# Altium PCB 4S SMART BMS İsmet Akalın.PcbDoc (part 1 of 2) (continued)
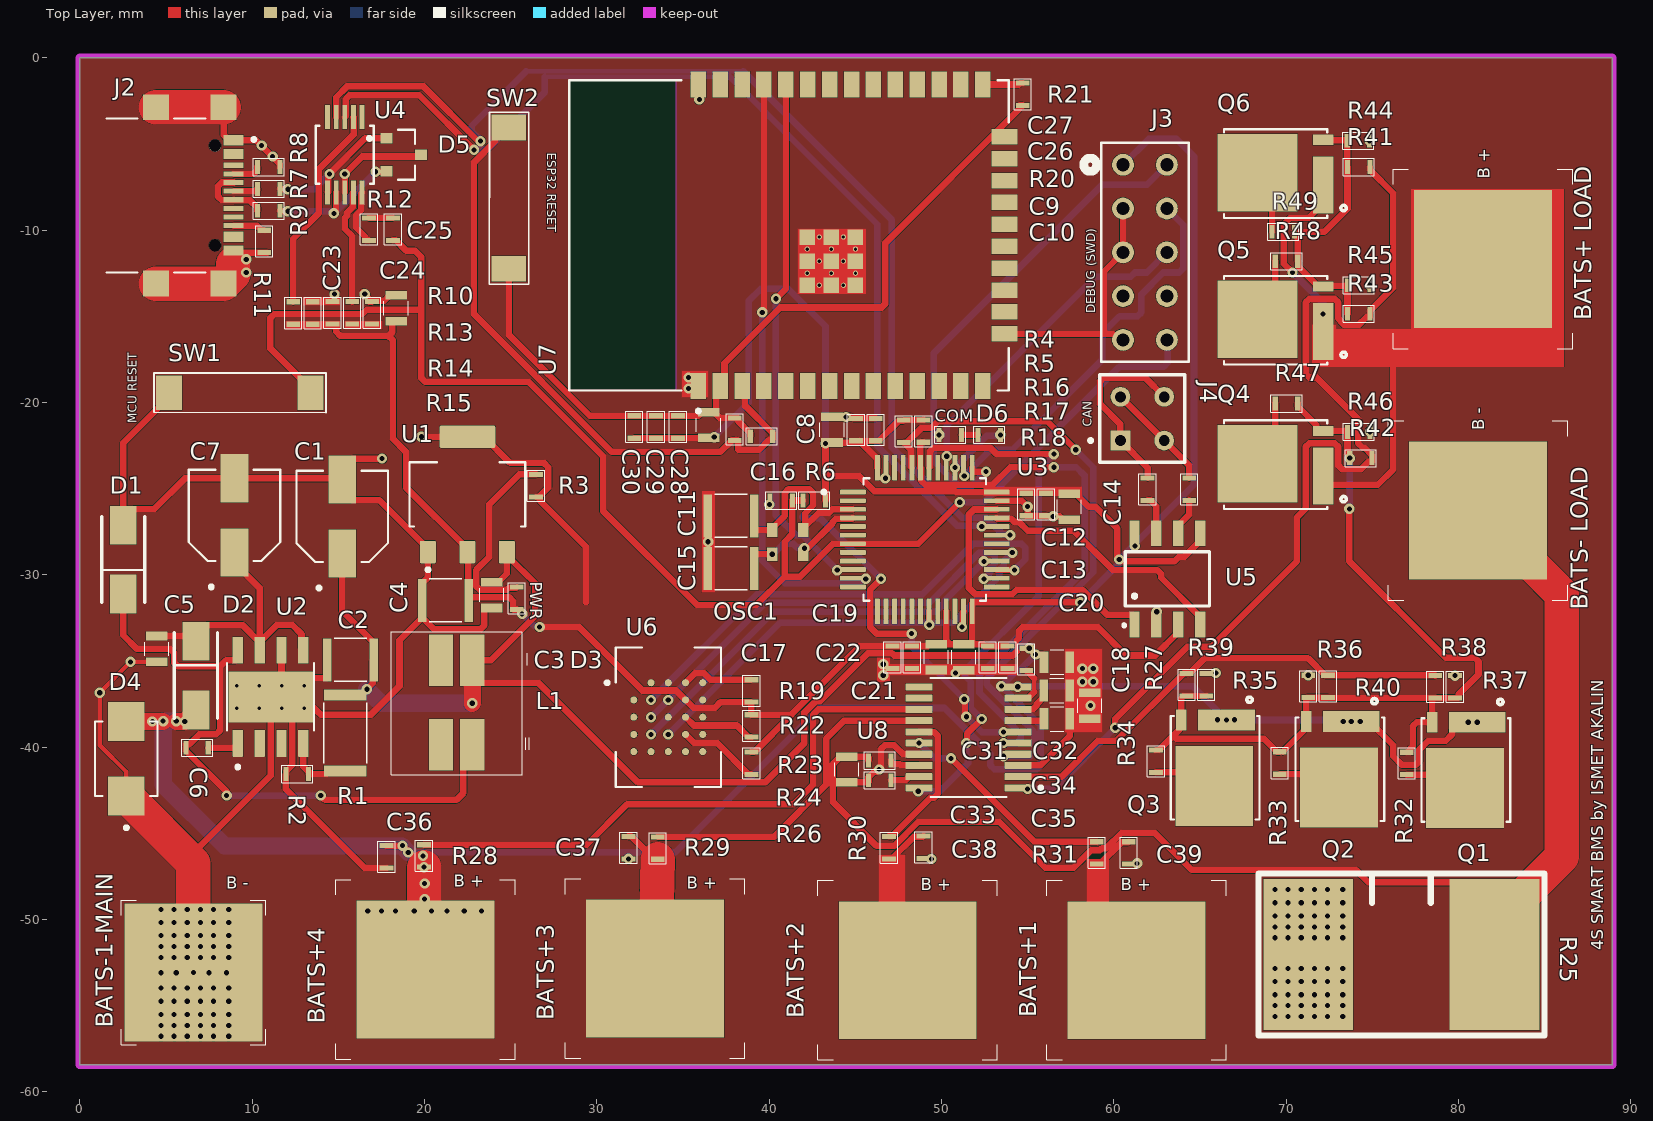
[diagram p0: Top Layer view]
## Part data (continued)
R3 R16: library part "RES 330 OHM 1/10W 0603", "330 Ohms ±1% 0.1W, 1/10W Chip Resistor 0603 (1608 Metric) Thick Film", Case Code (Metric)=1608, Case Code (Imperial)=0603, Manufacturer="TE Connectivity", Manufacturer Lifecycle Status=ACTIVE, Manufacturer Part Number=1622918-1, Max Operating Temperature=125°C, Min Operating Temperature=-55°C, Number of Resistors=1, Operating Supply Voltage=50V, Power Dissipation=100mW, Supplier Part Number=3399578, Temperature Coefficient=100ppm/°C, Tolerance=1%, Case/Package=0603, Category="Chip SMD Resistors", China RoHS=Non-Compliant, ComponentLink1Description=https://datasheet.octopart.com:443/1622918-1-TE-Connectivity-datasheet-177732131.pdf?src-supplier=JRH+Electronics, ComponentLink1URL=https://datasheet.octopart.com:443/1622918-1-TE-Connectivity-datasheet-177732131.pdf?src-supplier=JRH+Electronics, ComponentLink2Description=https://datasheet.octopart.com:443/1622918-1-TE-Connectivity-datasheet-11120284.pdf?src-supplier=Farnell, ComponentLink2URL=https://datasheet.octopart.com:443/1622918-1-TE-Connectivity-datasheet-11120284.pdf?src-supplier=Farnell, ComponentLink3Description=https://datasheet.octopart.com:443/CRG0603F330R-TE-Connectivity-datasheet-182172479.pdf?src-supplier=IHS, ComponentLink3URL=https://datasheet.octopart.com:443/CRG0603F330R-TE-Connectivity-datasheet-182172479.pdf?src-supplier=IHS, ComponentLink4Description=https://datasheet.octopart.com:443/1622918-1-TE-Connectivity---AMP-datasheet-11120141.pdf?src-supplier=Master+Electronics, ComponentLink4URL=https://datasheet.octopart.com:443/1622918-1-TE-Connectivity---AMP-datasheet-11120141.pdf?src-supplier=Master+Electronics, ComponentLink5Description=https://datasheet.octopart.com:443/1622918-1-TE-Connectivity---AMP-datasheet-128558484.pdf?src-supplier=Master+Electronics, ComponentLink5URL=https://datasheet.octopart.com:443/1622918-1-TE-Connectivity---AMP-datasheet-128558484.pdf?src-supplier=Master+Electronics, ComponentLink6Description=https://datasheet.octopart.com:443/1622918-1-TE-Connectivity---AMP-datasheet-189108518.pdf?src-supplier=Master+Electronics, ComponentLink6URL=https://datasheet.octopart.com:443/1622918-1-TE-Connectivity---AMP-datasheet-189108518.pdf?src-supplier=Master+Electronics, ComponentLink7Description=https://datasheet.octopart.com:443/1622918-1-TE-Connectivity---AMP-datasheet-44624597.pdf?src-supplier=TE+Connectivity, ComponentLink7URL=https://datasheet.octopart.com:443/1622918-1-TE-Connectivity---AMP-datasheet-44624597.pdf?src-supplier=TE+Connectivity, ComponentLink8Description=https://datasheet.octopart.com:443/1622918-1-TE-Connectivity-datasheet-14513272.pdf?src-supplier=TE+Connectivity, ComponentLink8URL=https://datasheet.octopart.com:443/1622918-1-TE-Connectivity-datasheet-14513272.pdf?src-supplier=TE+Connectivity, ComponentLink9Description=https://datasheet.octopart.com:443/1622918-1-TE-Connectivity-datasheet-177731251.pdf?src-supplier=Burklin+Elektronik, ComponentLink9URL=https://datasheet.octopart.com:443/1622918-1-TE-Connectivity-datasheet-177731251.pdf?src-supplier=Burklin+Elektronik, ComponentLink10Description=https://datasheet.octopart.com:443/CRG0603F330R-TE-Connectivity-datasheet-111046813.pdf?src-supplier=RS+(Formerly+Allied+Electronics), ComponentLink10URL=https://datasheet.octopart.com:443/CRG0603F330R-TE-Connectivity-datasheet-111046813.pdf?src-supplier=RS+(Formerly+Allied+Electronics), ComponentLink11Description=https://datasheet.octopart.com:443/CRG0603F330R-TE-Connectivity-datasheet-20739855.pdf?src-supplier=RS+(Formerly+Allied+Electronics), ComponentLink11URL=https://datasheet.octopart.com:443/CRG0603F330R-TE-Connectivity-datasheet-20739855.pdf?src-supplier=RS+(Formerly+Allied+Electronics), ComponentLink12Description=https://datasheet.octopart.com:443/CRG0603F330R-Tyco-Electronics-datasheet-9643492.pdf?src-supplier=RS+(Formerly+Allied+Electronics), ComponentLink12URL=https://datasheet.octopart.com:443/CRG0603F330R-Tyco-Electronics-datasheet-9643492.pdf?src-supplier=RS+(Formerly+Allied+Electronics), ComponentLink13Description=http://sigma.octopart.com:80/14513267/rohs_certificate/Tyco-Electronics-CRG0603F330R.pdf?src-supplier=Compliance+Statements, ComponentLink13URL=http://sigma.octopart.com:80/14513267/rohs_certificate/Tyco-Electronics-CRG0603F330R.pdf?src-supplier=Compliance+Statements, ComponentLink14Description=http://sigma.octopart.com:80/38872715/materials_sheet/TE-Connectivity-CRG0603F330R.pdf?src-supplier=Compliance+Statements, ComponentLink14URL=http://sigma.octopart.com:80/38872715/materials_sheet/TE-Connectivity-CRG0603F330R.pdf?src-supplier=Compliance+Statements, ComponentLink15Description=http://sigma.octopart.com:80/78339115/materials_sheet/TE-Connectivity-CRG0603F330R.pdf?src-supplier=Compliance+Statements, ComponentLink15URL=http://sigma.octopart.com:80/78339115/materials_sheet/TE-Connectivity-CRG0603F330R.pdf?src-supplier=Compliance+Statements, Composition="Thick Film", Depth=800µm, ELV=Compliant, Height=450µm, Length=1.6mm, Lifecycle Status=Production, Mounting Technology="Surface Mount", Number of Terminals=2, Number of Terminations=2, Packaging="Tape & Reel (TR)", Power Rating=100mW, Pricing="10=0,0125, 250=0,0066, 1000=0,0044, 5000=0,0038, 10000=0,0028, 20000=0,0027 (EUR)", Radiation Hardening=No, REACH SVHC=Yes, RoHS=Compliant, Schedule B="8533210045, 8533210090, 8533210090|8533210090, 8533210090|8533210090|8533210090", Stock=16155, Supplier=Farnell, Termination=Solder, Voltage Rating=50V, Width=800µm, Working Voltage=50V
R4 R5: library part "RES 4.7K OHM 1/10W 0603", "Res Thin Film 0603 4.7K Ohm 0.1% 0.1W ±25ppm/°C Molded SMD Punched Carrier T/R", Case Code (Imperial)=0603, Manufacturer=Panasonic, Manufacturer Part Number=ERA-3AEB473V, Max Operating Temperature=155°C, Max Power Dissipation=100mW, Min Operating Temperature=-55°C, Temperature Coefficient=25ppm/°C, Tolerance=0.1%, Voltage Rating=75V, Case/Package=0603, Category="Chip SMD Resistors", ComponentLink1Description=https://datasheet.octopart.com:443/ERA-3AEB473V-Panasonic-datasheet-62287448.pdf?src-supplier=Newark, ComponentLink1URL=https://datasheet.octopart.com:443/ERA-3AEB473V-Panasonic-datasheet-62287448.pdf?src-supplier=Newark, ComponentLink2Description=https://datasheet.octopart.com:443/ERA-3AEB473V-Panasonic-datasheet-136531316.pdf?src-supplier=Newark, ComponentLink2URL=https://datasheet.octopart.com:443/ERA-3AEB473V-Panasonic-datasheet-136531316.pdf?src-supplier=Newark, ComponentLink3Description=https://datasheet.octopart.com:443/ERA-3AEB473V-Panasonic-datasheet-8367715.pdf?src-supplier=Newark, ComponentLink3URL=https://datasheet.octopart.com:443/ERA-3AEB473V-Panasonic-datasheet-8367715.pdf?src-supplier=Newark, ComponentLink4Description=https://datasheet.octopart.com:443/ERA-3AEB473V-Panasonic-datasheet-61114971.pdf?src-supplier=Newark, ComponentLink4URL=https://datasheet.octopart.com:443/ERA-3AEB473V-Panasonic-datasheet-61114971.pdf?src-supplier=Newark, ComponentLink5Description=https://datasheet.octopart.com:443/ERA-3AEB473V-Panasonic-datasheet-13266200.pdf?src-supplier=_legacy+Avnet, ComponentLink5URL=https://datasheet.octopart.com:443/ERA-3AEB473V-Panasonic-datasheet-13266200.pdf?src-supplier=_legacy+Avnet, ComponentLink6Description=https://datasheet.octopart.com:443/ERA-3AEB473V-Panasonic-datasheet-118567.pdf?src-supplier=element14, ComponentLink6URL=https://datasheet.octopart.com:443/ERA-3AEB473V-Panasonic-datasheet-118567.pdf?src-supplier=element14, ComponentLink7Description=https://datasheet.octopart.com:443/ERA-3AEB473V-Panasonic-datasheet-154766165.pdf?src-supplier=Master+Electronics, ComponentLink7URL=https://datasheet.octopart.com:443/ERA-3AEB473V-Panasonic-datasheet-154766165.pdf?src-supplier=Master+Electronics, ComponentLink8Description=https://datasheet.octopart.com:443/ERA-3AEB473V-Panasonic-datasheet-12510007.pdf?src-supplier=Future+Electronics, ComponentLink8URL=https://datasheet.octopart.com:443/ERA-3AEB473V-Panasonic-datasheet-12510007.pdf?src-supplier=Future+Electronics, ComponentLink9Description=https://datasheet.octopart.com:443/ERA-3AEB473V-Panasonic-datasheet-11763931.pdf?src-supplier=Future+Electronics, ComponentLink9URL=https://datasheet.octopart.com:443/ERA-3AEB473V-Panasonic-datasheet-11763931.pdf?src-supplier=Future+Electronics, ComponentLink10Description=https://datasheet.octopart.com:443/ERA-3AEB473V-Panasonic-datasheet-10840895.pdf?src-supplier=Future+Electronics, ComponentLink10URL=https://datasheet.octopart.com:443/ERA-3AEB473V-Panasonic-datasheet-10840895.pdf?src-supplier=Future+Electronics, ComponentLink11Description=https://datasheet.octopart.com:443/ERA-3AEB473V-Panasonic-datasheet-5392808.pdf?src-supplier=Future+Electronics, ComponentLink11URL=https://datasheet.octopart.com:443/ERA-3AEB473V-Panasonic-datasheet-5392808.pdf?src-supplier=Future+Electronics, ComponentLink12Description=https://datasheet.octopart.com:443/ERA-3AEB473V-Panasonic-datasheet-46744048.pdf?src-supplier=RS+(Formerly+Allied+Electronics), ComponentLink12URL=https://datasheet.octopart.com:443/ERA-3AEB473V-Panasonic-datasheet-46744048.pdf?src-supplier=RS+(Formerly+Allied+Electronics), ComponentLink13Description=https://datasheet.octopart.com:443/ERA3AEB473V-Panasonic-datasheet-188913046.pdf?src-supplier=TME, ComponentLink13URL=https://datasheet.octopart.com:443/ERA3AEB473V-Panasonic-datasheet-188913046.pdf?src-supplier=TME, ComponentLink14Description=https://sigma.octopart.com:443/150570796/technical_drawing/Panasonic-ERA3AEB473V.pdf?src-supplier=Panasonic+SCT, ComponentLink14URL=https://sigma.octopart.com:443/150570796/technical_drawing/Panasonic-ERA3AEB473V.pdf?src-supplier=Panasonic+SCT, ComponentLink15Description=https://datasheet.octopart.com:443/ERA3AEB473V-Panasonic-datasheet-138783076.pdf?src-supplier=Burklin+Elektronik, ComponentLink15URL=https://datasheet.octopart.com:443/ERA3AEB473V-Panasonic-datasheet-138783076.pdf?src-supplier=Burklin+Elektronik, ComponentLink16Description=https://datasheet.octopart.com/ERA-3AEB473V-Panasonic-datasheet-78375410.pdf, ComponentLink16URL=https://datasheet.octopart.com/ERA-3AEB473V-Panasonic-datasheet-78375410.pdf, ComponentLink17Description=https://datasheet.octopart.com:443/ERA3AEB473V-Panasonic---ECG-datasheet-15994758.pdf?src-supplier=Farnell, ComponentLink17URL=https://datasheet.octopart.com:443/ERA3AEB473V-Panasonic---ECG-datasheet-15994758.pdf?src-supplier=Farnell, ComponentLink18Description=https://datasheet.octopart.com:443/ERA3AEB473V-Panasonic-datasheet-10050158.pdf?src-supplier=Arrow+Electronics, ComponentLink18URL=https://datasheet.octopart.com:443/ERA3AEB473V-Panasonic-datasheet-10050158.pdf?src-supplier=Arrow+Electronics, ComponentLink19Description=https://datasheet.octopart.com:443/ERA-3AEB473V-Panasonic-datasheet-33006989.pdf?src-supplier=Electro+Sonic, ComponentLink19URL=https://datasheet.octopart.com:443/ERA-3AEB473V-Panasonic-datasheet-33006989.pdf?src-supplier=Electro+Sonic, ComponentLink20Description=https://datasheet.octopart.com:443/ERA-3AEB472V-Panasonic-datasheet-138783076.pdf?src-supplier=Burklin+Elektronik, ComponentLink20URL=https://datasheet.octopart.com:443/ERA-3AEB472V-Panasonic-datasheet-138783076.pdf?src-supplier=Burklin+Elektronik, ComponentLink21Description=https://sigma.octopart.com:443/138766958/technical_drawing/Panasonic-ERA-3AEB472V.pdf?src-supplier=Upverter, ComponentLink21URL=https://sigma.octopart.com:443/138766958/technical_drawing/Panasonic-ERA-3AEB472V.pdf?src-supplier=Upverter, ComponentLink22Description=https://datasheet.octopart.com:443/ERA-3AEB472V-Panasonic-datasheet-62287448.pdf?src-supplier=Newark, ComponentLink22URL=https://datasheet.octopart.com:443/ERA-3AEB472V-Panasonic-datasheet-62287448.pdf?src-supplier=Newark, ComponentLink23Description=https://datasheet.octopart.com:443/ERA-3AEB472V-Panasonic-datasheet-8367715.pdf?src-supplier=Newark, ComponentLink23URL=https://datasheet.octopart.com:443/ERA-3AEB472V-Panasonic-datasheet-8367715.pdf?src-supplier=Newark, ComponentLink24Description=https://datasheet.octopart.com:443/ERA-3AEB472V-Panasonic-datasheet-136531316.pdf?src-supplier=Farnell, ComponentLink24URL=https://datasheet.octopart.com:443/ERA-3AEB472V-Panasonic-datasheet-136531316.pdf?src-supplier=Farnell, ComponentLink25Description=https://datasheet.octopart.com:443/ERA3AEB472V-Panasonic---ECG-datasheet-15994758.pdf?src-supplier=Farnell, ComponentLink25URL=https://datasheet.octopart.com:443/ERA3AEB472V-Panasonic---ECG-datasheet-15994758.pdf?src-supplier=Farnell, ComponentLink26Description=https://datasheet.octopart.com:443/ERA-3AEB472V-Panasonic-datasheet-13266200.pdf?src-supplier=_legacy+Avnet, ComponentLink26URL=https://datasheet.octopart.com:443/ERA-3AEB472V-Panasonic-datasheet-13266200.pdf?src-supplier=_legacy+Avnet, ComponentLink27Description=https://datasheet.octopart.com:443/ERA-3AEB472V-Panasonic-datasheet-10840895.pdf?src-supplier=Future+Electronics, ComponentLink27URL=https://datasheet.octopart.com:443/ERA-3AEB472V-Panasonic-datasheet-10840895.pdf?src-supplier=Future+Electronics, ComponentLink28Description=https://datasheet.octopart.com:443/ERA-3AEB472V-Panasonic-datasheet-12510007.pdf?src-supplier=Future+Electronics, ComponentLink28URL=https://datasheet.octopart.com:443/ERA-3AEB472V-Panasonic-datasheet-12510007.pdf?src-supplier=Future+Electronics, ComponentLink29Description=https://datasheet.octopart.com:443/ERA-3AEB472V-Panasonic-datasheet-11763931.pdf?src-supplier=Future+Electronics, ComponentLink29URL=https://datasheet.octopart.com:443/ERA-3AEB472V-Panasonic-datasheet-11763931.pdf?src-supplier=Future+Electronics, ComponentLink30Description=https://datasheet.octopart.com:443/ERA-3AEB472V-Panasonic-datasheet-5392808.pdf?src-supplier=Future+Electronics, ComponentLink30URL=https://datasheet.octopart.com:443/ERA-3AEB472V-Panasonic-datasheet-5392808.pdf?src-supplier=Future+Electronics, ComponentLink31Description=https://datasheet.octopart.com:443/ERA-3AEB472V-Panasonic-datasheet-61114971.pdf?src-supplier=Future+Electronics, ComponentLink31URL=https://datasheet.octopart.com:443/ERA-3AEB472V-Panasonic-datasheet-61114971.pdf?src-supplier=Future+Electronics, ComponentLink32Description=https://datasheet.octopart.com:443/ERA-3AEB472V-Panasonic-datasheet-118567.pdf?src-supplier=element14, ComponentLink32URL=https://datasheet.octopart.com:443/ERA-3AEB472V-Panasonic-datasheet-118567.pdf?src-supplier=element14, ComponentLink33Description=https://datasheet.octopart.com:443/ERA-3AEB472V-Panasonic-datasheet-154766165.pdf?src-supplier=Master+Electronics, ComponentLink33URL=https://datasheet.octopart.com:443/ERA-3AEB472V-Panasonic-datasheet-154766165.pdf?src-supplier=Master+Electronics, ComponentLink34Description=https://datasheet.octopart.com:443/ERA-3AEB472V-Panasonic-datasheet-46744048.pdf?src-supplier=RS+(Formerly+Allied+Electronics), ComponentLink34URL=https://datasheet.octopart.com:443/ERA-3AEB472V-Panasonic-datasheet-46744048.pdf?src-supplier=RS+(Formerly+Allied+Electronics), ComponentLink35Description=https://datasheet.octopart.com:443/ERA3AEB472V-Panasonic-datasheet-188913046.pdf?src-supplier=TME, ComponentLink35URL=https://datasheet.octopart.com:443/ERA3AEB472V-Panasonic-datasheet-188913046.pdf?src-supplier=TME, ComponentLink36Description=https://sigma.octopart.com:443/150570796/technical_drawing/Panasonic-ERA3AEB472V.pdf?src-supplier=Panasonic+SCT, ComponentLink36URL=https://sigma.octopart.com:443/150570796/technical_drawing/Panasonic-ERA3AEB472V.pdf?src-supplier=Panasonic+SCT, ComponentLink37Description=https://datasheet.octopart.com/ERA-3AEB472V-Panasonic-datasheet-78375410.pdf, ComponentLink37URL=https://datasheet.octopart.com/ERA-3AEB472V-Panasonic-datasheet-78375410.pdf, ComponentLink38Description=https://datasheet.octopart.com:443/ERA-3AEB472V-Panasonic-datasheet-33006989.pdf?src-supplier=Electro+Sonic, ComponentLink38URL=https://datasheet.octopart.com:443/ERA-3AEB472V-Panasonic-datasheet-33006989.pdf?src-supplier=Electro+Sonic, Composition="Thin Film", Contact Plating=Tin, Depth=800µm, Features="Automotive AEC-Q200", Height=450µm, Lead Free="Lead Free", Length=1.6mm, Lifecycle Status=Production, Military Standard=Not, Mounting Technology="Surface Mount", Number of Terminals=2, Number of Terminations=2, Packaging="Cut Tape", Pins=2, Power Dissipation=100mW, Power Rating=100mW, Pricing="5000=0,0337, 10000=0,032, 15000=0,031, 20000=0,031, 25000=0,03 (USD)", Radiation Hardening=No, REACH SVHC=Yes, RoHS=Compliant, Schedule B="8533210045, 8533210045|8533210045|8533210045|8533210045|8533210045", Stock=25000, Supplier="Arrow Electronics", Supplier Part Number=ERA-3AEB473V, Termination=SMD/SMT, Voltage Rating (DC)=75V, Width=800µm, Working Voltage=75V
R7 R9: library part "RES 22 OHM 1/10W 0603", "22 Ohms ±1% 0.1W, 1/10W Chip Resistor 0603 (1608 Metric) Automotive AEC-Q200 Thick Film", Case Code (Metric)=1608, Case Code (Imperial)=0603, Manufacturer="Stackpole Electronics", Max Operating Temperature=155°C, Max Power Dissipation=100mW, Min Operating Temperature=-55°C, Temperature Coefficient=100ppm/°C, Tolerance=1%, Voltage Rating=75V, Case/Package=0603, Category="Chip SMD Resistors", China RoHS=Non-Compliant, ComponentLink1Description=https://datasheet.octopart.com:443/RMCF0603FT22R0-Stackpole-Electronics-datasheet-182148065.pdf?src-supplier=IHS, ComponentLink1URL=https://datasheet.octopart.com:443/RMCF0603FT22R0-Stackpole-Electronics-datasheet-182148065.pdf?src-supplier=IHS, ComponentLink2Description=https://datasheet.octopart.com:443/RMCF0603FT22R0-Stackpole-Electronics-datasheet-28504820.pdf?src-supplier=Upverter, ComponentLink2URL=https://datasheet.octopart.com:443/RMCF0603FT22R0-Stackpole-Electronics-datasheet-28504820.pdf?src-supplier=Upverter, ComponentLink3Description=https://datasheet.octopart.com:443/RMCF0603FT22R0-Stackpole-Electronics-datasheet-141193804.pdf?src-supplier=Master+Electronics, ComponentLink3URL=https://datasheet.octopart.com:443/RMCF0603FT22R0-Stackpole-Electronics-datasheet-141193804.pdf?src-supplier=Master+Electronics, ComponentLink4Description=https://datasheet.octopart.com:443/RMCF0603FT22R0-Stackpole-Electronics-datasheet-189104163.pdf?src-supplier=Master+Electronics, ComponentLink4URL=https://datasheet.octopart.com:443/RMCF0603FT22R0-Stackpole-Electronics-datasheet-189104163.pdf?src-supplier=Master+Electronics, ComponentLink5Description=https://datasheet.octopart.com:443/RMCF0603FT22R0-Stackpole-Electronics-datasheet-116606903.pdf?src-supplier=Master+Electronics, ComponentLink5URL=https://datasheet.octopart.com:443/RMCF0603FT22R0-Stackpole-Electronics-datasheet-116606903.pdf?src-supplier=Master+Electronics, ComponentLink6Description=https://datasheet.octopart.com:443/RMCF0603FT22R0-Stackpole-Electronics-datasheet-62091608.pdf?src-supplier=Stackpole+Electronics, ComponentLink6URL=https://datasheet.octopart.com:443/RMCF0603FT22R0-Stackpole-Electronics-datasheet-62091608.pdf?src-supplier=Stackpole+Electronics, ComponentLink7Description=https://datasheet.octopart.com:443/RMCF0603FT22R0-Stackpole-Electronics-datasheet-12534581.pdf?src-supplier=Stackpole+Electronics, ComponentLink7URL=https://datasheet.octopart.com:443/RMCF0603FT22R0-Stackpole-Electronics-datasheet-12534581.pdf?src-supplier=Stackpole+Electronics, ComponentLink8Description=https://datasheet.octopart.com:443/RMCF0603FT22R0-Stackpole-Electronics-datasheet-10788263.pdf?src-supplier=Stackpole+Electronics, ComponentLink8URL=https://datasheet.octopart.com:443/RMCF0603FT22R0-Stackpole-Electronics-datasheet-10788263.pdf?src-supplier=Stackpole+Electronics, ComponentLink9Description=http://sigma.octopart.com:80/15940719/materials_sheet/Stackpole-Electronics-RMCF0603FT22R0.pdf?src-supplier=Compliance+Statements, ComponentLink9URL=http://sigma.octopart.com:80/15940719/materials_sheet/Stackpole-Electronics-RMCF0603FT22R0.pdf?src-supplier=Compliance+Statements, ComponentLink10Description=http://sigma.octopart.com:80/141158212/rohs_statement/Stackpole-Electronics-RMCF0603FT22R0.pdf?src-supplier=Compliance+Statements, ComponentLink10URL=http://sigma.octopart.com:80/141158212/rohs_statement/Stackpole-Electronics-RMCF0603FT22R0.pdf?src-supplier=Compliance+Statements, ComponentLink11Description=http://sigma.octopart.com:80/141158211/reach_statement/Stackpole-Electronics-RMCF0603FT22R0.pdf?src-supplier=Compliance+Statements, ComponentLink11URL=http://sigma.octopart.com:80/141158211/reach_statement/Stackpole-Electronics-RMCF0603FT22R0.pdf?src-supplier=Compliance+Statements, Composition="Thick Film", Contact Plating=Tin, Features="Automotive AEC-Q200", Height=450µm, Length=1.5494mm, Lifecycle Status=Production, Manufacturer Part Number=RMCF0603FT22R0, Mounting Technology="Surface Mount", Number of Terminals=2, Number of Terminations=2, Packaging=Digi-Reel®, Power Dissipation=100mW, Power Rating=100mW, Pricing="5000=0,002 (USD)", Radiation Hardening=No, REACH SVHC=Yes, RoHS=Compliant, Schedule B="8533210045, 8533210045|8533210045, 8533210045|8533210045|8533210045, 8533210045|8533210045|8533210045|8533210045", Stock=5000, Supplier="Arrow Electronics", Supplier Part Number=RMCF0603FT22R0, Width=800µm, Working Voltage=75V
R8 R11: library part "RES 5.1K OHM 1/10W 0603", "RES 5.1K OHM 1% 1/10W 0603", Case Code (Imperial)=0603, Manufacturer="Yageo Group", Max Operating Temperature=155°C, Max Power Dissipation=100mW, Min Operating Temperature=-55°C, Supplier Part Number=3495881, Temperature Coefficient=100ppm/°C, Tolerance=1%, Voltage Rating=75V, Voltage Rating (DC)=50V, Case/Package=0603, Category="Chip SMD Resistors", China RoHS=Non-Compliant, ComponentLink1Description=https://datasheet.octopart.com:443/RC0603FR-075K1L-Yageo-datasheet-175887523.pdf?src-supplier=IHS, ComponentLink1URL=https://datasheet.octopart.com:443/RC0603FR-075K1L-Yageo-datasheet-175887523.pdf?src-supplier=IHS, ComponentLink2Description=https://datasheet.octopart.com:443/RC0603FR-075K1L-Yageo-datasheet-103092701.pdf?src-supplier=Upverter, ComponentLink2URL=https://datasheet.octopart.com:443/RC0603FR-075K1L-Yageo-datasheet-103092701.pdf?src-supplier=Upverter, ComponentLink3Description=https://datasheet.octopart.com:443/RC0603FR-075K1L-Yageo-datasheet-8328172.pdf?src-supplier=Farnell, ComponentLink3URL=https://datasheet.octopart.com:443/RC0603FR-075K1L-Yageo-datasheet-8328172.pdf?src-supplier=Farnell, ComponentLink4Description=https://datasheet.octopart.com:443/RC0603FR-075K1L-Yageo-datasheet-62067350.pdf?src-supplier=Farnell, ComponentLink4URL=https://datasheet.octopart.com:443/RC0603FR-075K1L-Yageo-datasheet-62067350.pdf?src-supplier=Farnell, ComponentLink5Description=https://datasheet.octopart.com:443/RC0603FR-075K1L-Yageo-datasheet-34211833.pdf?src-supplier=element14+APAC, ComponentLink5URL=https://datasheet.octopart.com:443/RC0603FR-075K1L-Yageo-datasheet-34211833.pdf?src-supplier=element14+APAC, ComponentLink6Description=https://datasheet.octopart.com:443/RC0603FR-075K1L-Yageo-datasheet-164759695.pdf?src-supplier=Future+Electronics, ComponentLink6URL=https://datasheet.octopart.com:443/RC0603FR-075K1L-Yageo-datasheet-164759695.pdf?src-supplier=Future+Electronics, ComponentLink7Description=https://datasheet.octopart.com:443/RC0603FR-075K1L-Yageo-datasheet-137700087.pdf?src-supplier=Future+Electronics, ComponentLink7URL=https://datasheet.octopart.com:443/RC0603FR-075K1L-Yageo-datasheet-137700087.pdf?src-supplier=Future+Electronics, ComponentLink8Description=https://datasheet.octopart.com:443/RC0603FR-075K1L-Yageo-datasheet-15599030.pdf?src-supplier=Future+Electronics, ComponentLink8URL=https://datasheet.octopart.com:443/RC0603FR-075K1L-Yageo-datasheet-15599030.pdf?src-supplier=Future+Electronics, ComponentLink9Description=https://datasheet.octopart.com:443/RC0603FR-075K1L-Yageo-datasheet-12596169.pdf?src-supplier=Future+Electronics, ComponentLink9URL=https://datasheet.octopart.com:443/RC0603FR-075K1L-Yageo-datasheet-12596169.pdf?src-supplier=Future+Electronics, ComponentLink10Description=https://datasheet.octopart.com:443/RC0603FR-075K1L-Yageo-datasheet-503470.pdf?src-supplier=Future+Electronics, ComponentLink10URL=https://datasheet.octopart.com:443/RC0603FR-075K1L-Yageo-datasheet-503470.pdf?src-supplier=Future+Electronics, ComponentLink11Description=https://datasheet.octopart.com:443/RC0603FR-075K1L-Yageo-datasheet-148775077.pdf?src-supplier=TME, ComponentLink11URL=https://datasheet.octopart.com:443/RC0603FR-075K1L-Yageo-datasheet-148775077.pdf?src-supplier=TME, ComponentLink12Description=https://datasheet.octopart.com:443/RC0603FR-075K1L-Yageo-datasheet-79472498.pdf?src-supplier=Megastar, ComponentLink12URL=https://datasheet.octopart.com:443/RC0603FR-075K1L-Yageo-datasheet-79472498.pdf?src-supplier=Megastar, ComponentLink13Description=https://datasheet.octopart.com/RC0603FR-075K1L-Yageo-datasheet-73766026.pdf, ComponentLink13URL=https://datasheet.octopart.com/RC0603FR-075K1L-Yageo-datasheet-73766026.pdf, ComponentLink14Description=https://datasheet.octopart.com:443/RC0603FR-075K1L-Yageo-datasheet-118562.pdf?src-supplier=DigiKey, ComponentLink14URL=https://datasheet.octopart.com:443/RC0603FR-075K1L-Yageo-datasheet-118562.pdf?src-supplier=DigiKey, ComponentLink15Description=http://sigma.octopart.com:80/rohs_statement/Yageo-company-2.pdf?src-supplier=Compliance+Statements, ComponentLink15URL=http://sigma.octopart.com:80/rohs_statement/Yageo-company-2.pdf?src-supplier=Compliance+Statements, ComponentLink16Description=http://sigma.octopart.com:80/conflict_mineral_statement/Yageo-company-3.pdf?src-supplier=Compliance+Statements, ComponentLink16URL=http://sigma.octopart.com:80/conflict_mineral_statement/Yageo-company-3.pdf?src-supplier=Compliance+Statements, Composition="Thick Film", Depth=800µm, Features="Moisture Resistant", Height=450µm, Lead Free="Lead Free", Lifecycle Status=Production, Manufacturer Part Number=RC0603FR-075K1L, Military Standard=Not, Mounting Technology="Surface Mount", Number of Terminals=2, Number of Terminations=2, Packaging="Tape & Reel", Pins=2, Power Dissipation=100mW, Power Rating=100mW, Pricing="10=0,0085, 100=0,0076, 500=0,0065, 1000=0,005, 2500=0,0039 (EUR)", REACH SVHC=Yes, RoHS=Compliant, Schedule B="8533210045, 8533210045|8533210045, 8533210045|8533210045|8533210045, 8533210045|8533210045|8533210045|8533210045", Stock=102219, Supplier=Farnell, Termination=SMD/SMT, Width=800µm, Working Voltage=75V
R10 R12 R13: library part "RES 0 OHM JUMPER 1/10W 0603", "RES 0 OHM JUMPER 1/10W 0603 Chip Resistor 0603 (1608 Metric) Automotive AEC-Q200 Thick Film", Case Code (Metric)=1608, Case Code (Imperial)=0603, Current Rating=1A, Manufacturer="Stackpole Electronics", Max Operating Temperature=155°C, Max Power Dissipation=100mW, Min Operating Temperature=-55°C, Voltage Rating=75V, Case/Package=0603, Category="Chip SMD Resistors", China RoHS=Non-Compliant, ComponentLink1Description=https://datasheet.octopart.com:443/RMCF0603ZT0R00-Stackpole-Electronics-datasheet-182148075.pdf?src-supplier=IHS, ComponentLink1URL=https://datasheet.octopart.com:443/RMCF0603ZT0R00-Stackpole-Electronics-datasheet-182148075.pdf?src-supplier=IHS, ComponentLink2Description=https://datasheet.octopart.com:443/RMCF0603ZT0R00-Stackpole-Electronics-datasheet-141193804.pdf?src-supplier=Stackpole+Electronics, ComponentLink2URL=https://datasheet.octopart.com:443/RMCF0603ZT0R00-Stackpole-Electronics-datasheet-141193804.pdf?src-supplier=Stackpole+Electronics, ComponentLink3Description=https://datasheet.octopart.com:443/RMCF0603ZT0R00-Stackpole-Electronics-datasheet-62091608.pdf?src-supplier=Stackpole+Electronics, ComponentLink3URL=https://datasheet.octopart.com:443/RMCF0603ZT0R00-Stackpole-Electronics-datasheet-62091608.pdf?src-supplier=Stackpole+Electronics, ComponentLink4Description=https://datasheet.octopart.com:443/RMCF0603ZT0R00-Stackpole-Electronics-datasheet-12534581.pdf?src-supplier=Stackpole+Electronics, ComponentLink4URL=https://datasheet.octopart.com:443/RMCF0603ZT0R00-Stackpole-Electronics-datasheet-12534581.pdf?src-supplier=Stackpole+Electronics, ComponentLink5Description=https://datasheet.octopart.com:443/RMCF0603ZT0R00-Stackpole-Electronics-datasheet-10788263.pdf?src-supplier=Stackpole+Electronics, ComponentLink5URL=https://datasheet.octopart.com:443/RMCF0603ZT0R00-Stackpole-Electronics-datasheet-10788263.pdf?src-supplier=Stackpole+Electronics, ComponentLink6Description=https://datasheet.octopart.com:443/RMCF0603ZT0R00-Stackpole-Electronics-datasheet-28504820.pdf?src-supplier=Upverter, ComponentLink6URL=https://datasheet.octopart.com:443/RMCF0603ZT0R00-Stackpole-Electronics-datasheet-28504820.pdf?src-supplier=Upverter, ComponentLink7Description=https://datasheet.octopart.com:443/RMCF0603ZT0R00-Stackpole-Electronics-datasheet-116606903.pdf?src-supplier=Upverter, ComponentLink7URL=https://datasheet.octopart.com:443/RMCF0603ZT0R00-Stackpole-Electronics-datasheet-116606903.pdf?src-supplier=Upverter, ComponentLink8Description=https://datasheet.octopart.com:443/RMCF0603ZT0R00-Stackpole-Electronics-datasheet-154799224.pdf?src-supplier=Master+Electronics, ComponentLink8URL=https://datasheet.octopart.com:443/RMCF0603ZT0R00-Stackpole-Electronics-datasheet-154799224.pdf?src-supplier=Master+Electronics, ComponentLink9Description=https://datasheet.octopart.com:443/RMCF0603ZT0R00-Stackpole-Electronics-datasheet-11546843.pdf?src-supplier=Arrow+Electronics, ComponentLink9URL=https://datasheet.octopart.com:443/RMCF0603ZT0R00-Stackpole-Electronics-datasheet-11546843.pdf?src-supplier=Arrow+Electronics, ComponentLink10Description=https://datasheet.octopart.com:443/RMCF0603ZT0R00-Stackpole-Electronics-datasheet-11547379.pdf?src-supplier=Future+Electronics, ComponentLink10URL=https://datasheet.octopart.com:443/RMCF0603ZT0R00-Stackpole-Electronics-datasheet-11547379.pdf?src-supplier=Future+Electronics, ComponentLink11Description=https://datasheet.octopart.com:443/RMCF0603ZT0R00-Stackpole-Electronics-datasheet-8359789.pdf?src-supplier=Future+Electronics, ComponentLink11URL=https://datasheet.octopart.com:443/RMCF0603ZT0R00-Stackpole-Electronics-datasheet-8359789.pdf?src-supplier=Future+Electronics, ComponentLink12Description=https://datasheet.octopart.com:443/RMCF0603ZT0R00-Stackpole-Electronics-datasheet-8324226.pdf?src-supplier=Future+Electronics, ComponentLink12URL=https://datasheet.octopart.com:443/RMCF0603ZT0R00-Stackpole-Electronics-datasheet-8324226.pdf?src-supplier=Future+Electronics, ComponentLink13Description=http://sigma.octopart.com:80/15940719/materials_sheet/Stackpole-Electronics-RMCF0603ZT0R00.pdf?src-supplier=Compliance+Statements, ComponentLink13URL=http://sigma.octopart.com:80/15940719/materials_sheet/Stackpole-Electronics-RMCF0603ZT0R00.pdf?src-supplier=Compliance+Statements, ComponentLink14Description=http://sigma.octopart.com:80/141158211/reach_statement/Stackpole-Electronics-RMCF0603ZT0R00.pdf?src-supplier=Compliance+Statements, ComponentLink14URL=http://sigma.octopart.com:80/141158211/reach_statement/Stackpole-Electronics-RMCF0603ZT0R00.pdf?src-supplier=Compliance+Statements, ComponentLink15Description=http://sigma.octopart.com:80/141158212/rohs_statement/Stackpole-Electronics-RMCF0603ZT0R00.pdf?src-supplier=Compliance+Statements, ComponentLink15URL=http://sigma.octopart.com:80/141158212/rohs_statement/Stackpole-Electronics-RMCF0603ZT0R00.pdf?src-supplier=Compliance+Statements, Composition="Thick Film", Contact Plating=Tin, Depth=800µm, Features="Automotive AEC-Q200", Height=450µm, Lead Free="Lead Free", Length=1.55mm, Lifecycle Status=Production, Manufacturer Part Number=RMCF0603ZT0R00, Military Standard=Not, Mounting Technology="Surface Mount", Number of Terminals=2, Number of Terminations=2, Packaging="Cut Tape (CT)", Power Dissipation=100mW, Power Rating=100mW, Pricing="55000=0,0014 (USD)", Radiation Hardening=No, REACH SVHC=Yes, RoHS=Compliant, Schedule B="8533210045, 8533210045|8533210045, 8533210045|8533210045|8533210045, 8533210045|8533210045|8533210045|8533210045", Stock=1355000, Supplier="Arrow Electronics", Supplier Part Number=RMCF0603ZT0R00, Width=800µm, Working Voltage=75V
R17 R18: library part "RES 120 OHM 1/10W 0603", "120 Ohms ±0.1% 0.1W, 1/10W Chip Resistor 0603 (1608 Metric) Automotive AEC-Q200 Thin Film", Case Code (Imperial)=0603, Manufacturer=Panasonic, Manufacturer Part Number=ERA3AEB121V, Max Operating Temperature=155°C, Max Power Dissipation=100mW, Min Operating Temperature=-55°C, Supplier Part Number=1811353, Temperature Coefficient=25ppm/°C, Tolerance=0.1%, Voltage Rating=75V, Case/Package=0603, Category="Chip SMD Resistors", ComponentLink1Description=https://datasheet.octopart.com:443/ERA3AEB121V-Panasonic-datasheet-181959660.pdf?src-supplier=IHS, ComponentLink1URL=https://datasheet.octopart.com:443/ERA3AEB121V-Panasonic-datasheet-181959660.pdf?src-supplier=IHS, ComponentLink2Description=https://datasheet.octopart.com:443/ERA3AEB121V-Panasonic-datasheet-62287448.pdf?src-supplier=Farnell, ComponentLink2URL=https://datasheet.octopart.com:443/ERA3AEB121V-Panasonic-datasheet-62287448.pdf?src-supplier=Farnell, ComponentLink3Description=https://datasheet.octopart.com:443/ERA-3AEB121V-Panasonic-datasheet-118567.pdf?src-supplier=Farnell, ComponentLink3URL=https://datasheet.octopart.com:443/ERA-3AEB121V-Panasonic-datasheet-118567.pdf?src-supplier=Farnell, ComponentLink4Description=https://datasheet.octopart.com:443/ERA-3AEB121V-Panasonic---ECG-datasheet-15994758.pdf?src-supplier=Farnell, ComponentLink4URL=https://datasheet.octopart.com:443/ERA-3AEB121V-Panasonic---ECG-datasheet-15994758.pdf?src-supplier=Farnell, ComponentLink5Description=https://datasheet.octopart.com:443/ERA3AEB121V-Panasonic-datasheet-136531316.pdf?src-supplier=Newark, ComponentLink5URL=https://datasheet.octopart.com:443/ERA3AEB121V-Panasonic-datasheet-136531316.pdf?src-supplier=Newark, ComponentLink6Description=https://datasheet.octopart.com:443/ERA3AEB121V-Panasonic-datasheet-8367715.pdf?src-supplier=Newark, ComponentLink6URL=https://datasheet.octopart.com:443/ERA3AEB121V-Panasonic-datasheet-8367715.pdf?src-supplier=Newark, ComponentLink7Description=https://datasheet.octopart.com:443/ERA3AEB121V-Panasonic-datasheet-13266200.pdf?src-supplier=Newark, ComponentLink7URL=https://datasheet.octopart.com:443/ERA3AEB121V-Panasonic-datasheet-13266200.pdf?src-supplier=Newark, ComponentLink8Description=https://datasheet.octopart.com:443/ERA-3AEB121V-Panasonic-datasheet-12510007.pdf?src-supplier=Newark, ComponentLink8URL=https://datasheet.octopart.com:443/ERA-3AEB121V-Panasonic-datasheet-12510007.pdf?src-supplier=Newark, ComponentLink9Description=https://datasheet.octopart.com:443/ERA-3AEB121V-Panasonic-datasheet-11763931.pdf?src-supplier=Newark, ComponentLink9URL=https://datasheet.octopart.com:443/ERA-3AEB121V-Panasonic-datasheet-11763931.pdf?src-supplier=Newark, ComponentLink10Description=https://datasheet.octopart.com:443/ERA-3AEB121V-Panasonic-datasheet-10840895.pdf?src-supplier=Newark, ComponentLink10URL=https://datasheet.octopart.com:443/ERA-3AEB121V-Panasonic-datasheet-10840895.pdf?src-supplier=Newark, ComponentLink11Description=https://datasheet.octopart.com:443/ERA-3AEB121V-Panasonic-datasheet-5392808.pdf?src-supplier=Newark, ComponentLink11URL=https://datasheet.octopart.com:443/ERA-3AEB121V-Panasonic-datasheet-5392808.pdf?src-supplier=Newark, ComponentLink12Description=https://datasheet.octopart.com:443/ERA3AEB121V-Panasonic-datasheet-61114971.pdf?src-supplier=Newark, ComponentLink12URL=https://datasheet.octopart.com:443/ERA3AEB121V-Panasonic-datasheet-61114971.pdf?src-supplier=Newark, ComponentLink13Description=https://datasheet.octopart.com:443/ERA3AEB121V-Panasonic-datasheet-22087624.pdf?src-supplier=Newark, ComponentLink13URL=https://datasheet.octopart.com:443/ERA3AEB121V-Panasonic-datasheet-22087624.pdf?src-supplier=Newark, ComponentLink14Description=https://datasheet.octopart.com:443/ERA-3AEB121V-Panasonic-datasheet-154766165.pdf?src-supplier=Master+Electronics, ComponentLink14URL=https://datasheet.octopart.com:443/ERA-3AEB121V-Panasonic-datasheet-154766165.pdf?src-supplier=Master+Electronics, ComponentLink15Description=https://datasheet.octopart.com:443/ERA3AEB121V-Panasonic-datasheet-188913046.pdf?src-supplier=TME, ComponentLink15URL=https://datasheet.octopart.com:443/ERA3AEB121V-Panasonic-datasheet-188913046.pdf?src-supplier=TME, ComponentLink16Description=https://sigma.octopart.com:443/150570796/technical_drawing/Panasonic-ERA3AEB121V.pdf?src-supplier=Panasonic+SCT, ComponentLink16URL=https://sigma.octopart.com:443/150570796/technical_drawing/Panasonic-ERA3AEB121V.pdf?src-supplier=Panasonic+SCT, ComponentLink17Description=https://datasheet.octopart.com:443/ERA3AEB121V-Panasonic-datasheet-138783076.pdf?src-supplier=Burklin+Elektronik, ComponentLink17URL=https://datasheet.octopart.com:443/ERA3AEB121V-Panasonic-datasheet-138783076.pdf?src-supplier=Burklin+Elektronik, ComponentLink18Description=https://datasheet.octopart.com/ERA3AEB121V-Panasonic-datasheet-78375410.pdf, ComponentLink18URL=https://datasheet.octopart.com/ERA3AEB121V-Panasonic-datasheet-78375410.pdf, ComponentLink19Description=https://datasheet.octopart.com:443/ERA3AEB121V-Panasonic-datasheet-33006989.pdf?src-supplier=Electro+Sonic, ComponentLink19URL=https://datasheet.octopart.com:443/ERA3AEB121V-Panasonic-datasheet-33006989.pdf?src-supplier=Electro+Sonic, ComponentLink20Description=https://datasheet.octopart.com:443/ERA-3AEB121V-Panasonic-datasheet-46744048.pdf?src-supplier=Electro+Sonic, ComponentLink20URL=https://datasheet.octopart.com:443/ERA-3AEB121V-Panasonic-datasheet-46744048.pdf?src-supplier=Electro+Sonic, Composition="Thin Film", Contact Plating=Tin, Depth=800µm, Features="Automotive AEC-Q200", Height=450µm, Lead Free="Lead Free", Length=1.6mm, Lifecycle Status=Production, Military Standard=Not, Mounting Technology="Surface Mount", Number of Terminals=2, Number of Terminations=2, Packaging="Cut Tape", Pins=2, Power Dissipation=100mW, Power Rating=100mW, Pricing="5000=0,0343 (EUR)", Radiation Hardening=No, REACH SVHC=Yes, RoHS=Compliant, Schedule B="8533210045, 8533210045|8533210045|8533210045|8533210045|8533210045", Stock=35000, Supplier=Farnell, Termination=SMD/SMT, Voltage Rating (DC)=75V, Width=800µm, Working Voltage=75V